# Altium PCB Booster_Main_Board.PcbDoc (part 2 of 11)
Units mil, origin at the board's own origin, x right, y up, seen from the top; angles counter-clockwise.
Board outline 15748.38 x 4626.33 mil, 4 copper layers (Component Side, Signal Layer 1, Power Plane, Solder Side), stack 63.149 mil thick; 999 components, 572 nets, 2902 pads, 1949 vias.
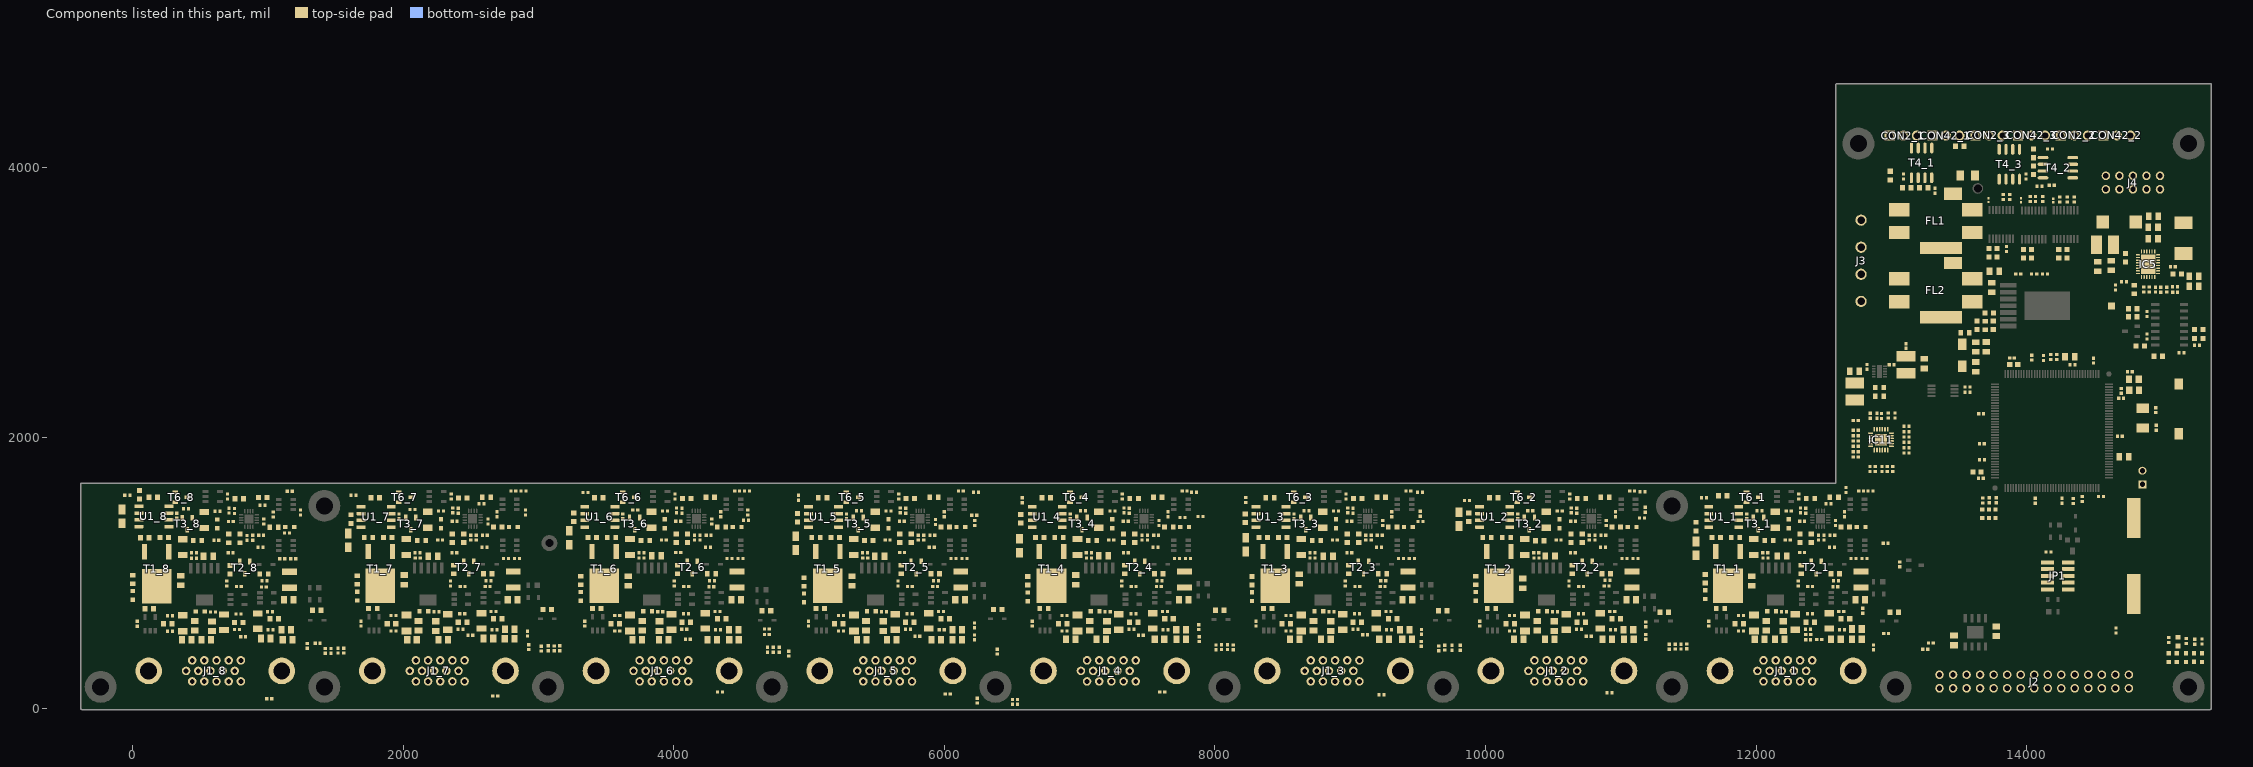
[diagram p4: the components of this part, seen from the top]

## Components (designator, comment, footprint, x,y, rotation, side; value= is the part's Value field where it differs from the comment) (continued)
J1_1 "HD-Sub" TYCO_1932144-1 12224.41,275.59 r0 top locked (schematic designator J1)
J1_2 "HD-Sub" TYCO_1932144-1 10531.5,275.59 r0 top locked (schematic designator J1)
J1_3 "HD-Sub" TYCO_1932144-1 8877.95,275.59 r0 top locked (schematic designator J1)
J1_4 "HD-Sub" TYCO_1932144-1 7224.41,275.59 r0 top locked (schematic designator J1)
J1_5 "HD-Sub" TYCO_1932144-1 5570.87,275.59 r0 top locked (schematic designator J1)
J1_6 "HD-Sub" TYCO_1932144-1 3917.32,275.59 r0 top locked (schematic designator J1)
J1_7 "HD-Sub" TYCO_1932144-1 2263.78,275.59 r0 top locked (schematic designator J1)
J1_8 "HD-Sub" TYCO_1932144-1 610.24,275.59 r0 top locked (schematic designator J1)
J2 "Familly" 3M_N2530-6002RB 14055.12,196.85 r180 top locked
J3 "Family" PHOENIX_1755752 12775.59,3307.09 r270 top
J4 "Header 10" 3M_N2510-6003RB 14785,3885 r180 top
JP1 "PLHTD10S-TR-CV" PLHTD10S-TR-CV 14230,1103 r90 top
JP2 "1798942 (goldpin 2x 2.54)" jump 14855,1655 r180 top
L1 "10uH" IND_MURATA-PS_8400 12730,2341 r90 top
L2 "10uH" IND_MURATA-PS_8400 13108.05,2537.58 r90 top
L3 "6.8uH" INDM6965X300N 15157.48,3474.41 r90 top
L4 "10uH" IND_MURATA-PS_8400 14578.74,3425.2 r180 top
LD1_1 "Green" LED_KINGBRIGHT_KPH-1608CGCK 11623.25,838.77 r90 top (schematic designator LD1)
LD1_2 "Green" LED_KINGBRIGHT_KPH-1608CGCK 9927.02,826.07 r90 top (schematic designator LD1)
LD1_3 "Green" LED_KINGBRIGHT_KPH-1608CGCK 8274,824.7 r90 top (schematic designator LD1)
LD1_4 "Green" LED_KINGBRIGHT_KPH-1608CGCK 6615.93,823.07 r90 top (schematic designator LD1)
LD1_5 "Green" LED_KINGBRIGHT_KPH-1608CGCK 4961.81,814.89 r90 top (schematic designator LD1)
LD1_6 "Green" LED_KINGBRIGHT_KPH-1608CGCK 3312.84,826.07 r90 top (schematic designator LD1)
LD1_7 "Green" LED_KINGBRIGHT_KPH-1608CGCK 1660.3,829.07 r90 top (schematic designator LD1)
LD1_8 "Green" LED_KINGBRIGHT_KPH-1608CGCK 0,833.66 r90 top (schematic designator LD1)
LD2_1 "Green" LED_KINGBRIGHT_KPH-1608CGCK 12114.17,716.14 r0 top (schematic designator LD2)
LD2_2 "Green" LED_KINGBRIGHT_KPH-1608CGCK 10421.26,716.14 r0 top (schematic designator LD2)
LD2_3 "Green" LED_KINGBRIGHT_KPH-1608CGCK 8767.72,716.14 r0 top (schematic designator LD2)
LD2_4 "Green" LED_KINGBRIGHT_KPH-1608CGCK 7114.17,716.14 r0 top (schematic designator LD2)
LD2_5 "Green" LED_KINGBRIGHT_KPH-1608CGCK 5460.63,716.14 r0 top (schematic designator LD2)
LD2_6 "Green" LED_KINGBRIGHT_KPH-1608CGCK 3807.09,716.14 r0 top (schematic designator LD2)
LD2_7 "Green" LED_KINGBRIGHT_KPH-1608CGCK 2153.54,716.14 r0 top (schematic designator LD2)
LD2_8 "Green" LED_KINGBRIGHT_KPH-1608CGCK 500,715 r0 top (schematic designator LD2)
LD3 "Green" LED_KINGBRIGHT_KPH-1608CGCK 15295.28,374.02 r90 top
LD4_1 "Hyper Red" LED_KINGBRIGHT_KPH-1608SURCK 12775.59,1338.58 r180 top (schematic designator LD4)
LD4_2 "Hyper Red" LED_KINGBRIGHT_KPH-1608SURCK 11082.68,1338.58 r180 top (schematic designator LD4)
LD4_3 "Hyper Red" LED_KINGBRIGHT_KPH-1608SURCK 9429.13,1338.58 r180 top (schematic designator LD4)
LD4_4 "Hyper Red" LED_KINGBRIGHT_KPH-1608SURCK 7775.59,1338.58 r180 top (schematic designator LD4)
LD4_5 "Hyper Red" LED_KINGBRIGHT_KPH-1608SURCK 6122.05,1338.58 r180 top (schematic designator LD4)
LD4_6 "Hyper Red" LED_KINGBRIGHT_KPH-1608SURCK 4468.5,1338.58 r180 top (schematic designator LD4)
LD4_7 "Hyper Red" LED_KINGBRIGHT_KPH-1608SURCK 2814.96,1338.58 r180 top (schematic designator LD4)
LD4_8 "Hyper Red" LED_KINGBRIGHT_KPH-1608SURCK 1161.42,1338.58 r180 top (schematic designator LD4)
LD9 "Green" LED_OSRAM_LGL29K 13720.47,1437.01 r90 top
LD10 "Green" LED_OSRAM_LGL29K 13671.26,1437.01 r90 top
LD11 "Green" LED_OSRAM_LGL29K 13769.68,1437.01 r90 top
LD12_1 "Green" LED_KINGBRIGHT_KPH-1608CGCK 12240.17,1363.14 r270 top (schematic designator LD12)
LD12_2 "Green" LED_KINGBRIGHT_KPH-1608CGCK 10547.26,1363.14 r270 top (schematic designator LD12)
LD12_3 "Green" LED_KINGBRIGHT_KPH-1608CGCK 8893.72,1363.14 r270 top (schematic designator LD12)
LD12_4 "Green" LED_KINGBRIGHT_KPH-1608CGCK 7240.17,1363.14 r270 top (schematic designator LD12)
LD12_5 "Green" LED_KINGBRIGHT_KPH-1608CGCK 5586.63,1363.14 r270 top (schematic designator LD12)
LD12_6 "Green" LED_KINGBRIGHT_KPH-1608CGCK 3933.09,1363.14 r270 top (schematic designator LD12)
LD12_7 "Green" LED_KINGBRIGHT_KPH-1608CGCK 2279.54,1363.14 r270 top (schematic designator LD12)
LD12_8 "Green" LED_KINGBRIGHT_KPH-1608CGCK 626,1362 r270 top (schematic designator LD12)
LD16 "Green" LED_KINGBRIGHT_KPH-1608CGCK 15177.17,374.02 r90 top
LD17 "Green" LED_KINGBRIGHT_KPH-1608CGCK 15108.27,374.02 r90 top
LD18 "Green" LED_KINGBRIGHT_KPH-1608CGCK 15049.21,374.02 r270 top
LD19 "Green" LED_OSRAM_LGL29K 15236.22,374.02 r90 top
PB1 "Push Button" PB_TYCO_FSMSM 15125,2212 r270 top
Q1 "8MHz" XTAL_TXC_7A 14857,2144 r90 top
R1 "10k" RESC1005X40N 14160,1154 r180 top
R2 "10k" RESC1005X40N 14338,2538 r180 top
R3 "10k" RESC1005X40N 13670,1837 r180 top
R4 "10k" RESC1005X40N 14409.47,1546.22 r270 top
R5 "49R9" RESC1005X40N 14550,1565 r180 top
R6 "10k" RESC1005X40N 14343,1530 r90 top
R7_1 "56k" RESC1608X55N 11623.25,956.88 r90 top (schematic designator R7)
R7_2 "56k" RESC1608X55N 9927.02,944.18 r90 top (schematic designator R7)
R7_3 "56k" RESC1608X55N 8274,942.81 r90 top (schematic designator R7)
R7_4 "56k" RESC1608X55N 6615.93,941.18 r90 top (schematic designator R7)
R7_5 "56k" RESC1608X55N 4961.81,933 r90 top (schematic designator R7)
R7_6 "56k" RESC1608X55N 3312.84,944.18 r90 top (schematic designator R7)
R7_7 "56k" RESC1608X55N 1660.3,947.18 r90 top (schematic designator R7)
R7_8 "56k" RESC1608X55N 0,951.77 r90 top (schematic designator R7)
R8_1 "16k" RESC1608X55N 11704.17,1261.14 r180 top (schematic designator R8)
R8_2 "16k" RESC1608X55N 10011.26,1261.14 r180 top (schematic designator R8)
R8_3 "16k" RESC1608X55N 8357.72,1261.14 r180 top (schematic designator R8)
R8_4 "16k" RESC1608X55N 6704.17,1261.14 r180 top (schematic designator R8)
R8_5 "16k" RESC1608X55N 5050.63,1261.14 r180 top (schematic designator R8)
R8_6 "16k" RESC1608X55N 3397.09,1261.14 r180 top (schematic designator R8)
R8_7 "16k" RESC1608X55N 1743.54,1261.14 r180 top (schematic designator R8)
R8_8 "16k" RESC1608X55N 90,1260 r180 top (schematic designator R8)
R9_1 "1k5" RESC1608X55N 11753,1571 r180 top (schematic designator R9)
R9_2 "1k5" RESC1608X55N 10060.43,1554.37 r180 top (schematic designator R9)
R9_3 "1k5" RESC1608X55N 8406.89,1554.37 r180 top (schematic designator R9)
R9_4 "1k5" RESC1608X55N 6753.35,1554.37 r180 top (schematic designator R9)
R9_5 "1k5" RESC1608X55N 5099.8,1554.37 r180 top (schematic designator R9)
R9_6 "1k5" RESC1608X55N 3446.26,1554.37 r180 top (schematic designator R9)
R9_7 "1k5" RESC1608X55N 1792.72,1554.37 r180 top (schematic designator R9)
R9_8 "1k5" RESC1608X55N 51.18,1576.77 r270 top (schematic designator R9)
R10_1 "47k" RESC1005X40N 12068.31,1110.47 r0 top (schematic designator R10)
R10_2 "47k" RESC1005X40N 10375.39,1110.47 r0 top (schematic designator R10)
R10_3 "47k" RESC1005X40N 8721.85,1110.47 r0 top (schematic designator R10)
R10_4 "47k" RESC1005X40N 7068.31,1110.47 r0 top (schematic designator R10)
R10_5 "47k" RESC1005X40N 5414.76,1110.47 r0 top (schematic designator R10)
R10_6 "47k" RESC1005X40N 3761.22,1110.47 r0 top (schematic designator R10)
R10_7 "47k" RESC1005X40N 2107.68,1110.47 r0 top (schematic designator R10)
R10_8 "47k" RESC1005X40N 454.13,1109.33 r0 top (schematic designator R10)
R11_1 "10k" RESC1005X40N 12207.09,711.85 r180 top (schematic designator R11)
R11_2 "10k" RESC1005X40N 10514.17,711.85 r180 top (schematic designator R11)
R11_3 "10k" RESC1005X40N 8860.63,711.85 r180 top (schematic designator R11)
R11_4 "10k" RESC1005X40N 7207.09,711.85 r180 top (schematic designator R11)
R11_5 "10k" RESC1005X40N 5553.54,711.85 r180 top (schematic designator R11)
R11_6 "10k" RESC1005X40N 3900,711.85 r180 top (schematic designator R11)
R11_7 "10k" RESC1005X40N 2246.46,711.85 r180 top (schematic designator R11)
R11_8 "10k" RESC1005X40N 592.91,710.71 r180 top (schematic designator R11)
R12_1 "56k" RESC1608X55N 11847.17,1262.14 r180 top (schematic designator R12)
R12_2 "56k" RESC1608X55N 10154.26,1262.14 r180 top (schematic designator R12)
R12_3 "56k" RESC1608X55N 8500.72,1262.14 r180 top (schematic designator R12)
R12_4 "56k" RESC1608X55N 6847.17,1262.14 r180 top (schematic designator R12)
R12_5 "56k" RESC1608X55N 5193.63,1262.14 r180 top (schematic designator R12)
R12_6 "56k" RESC1608X55N 3540.09,1262.14 r180 top (schematic designator R12)
R12_7 "56k" RESC1608X55N 1886.54,1262.14 r180 top (schematic designator R12)
R12_8 "56k" RESC1608X55N 233,1261 r180 top (schematic designator R12)
R13_1 "15k" RESC1005X40N 12067.32,1149.84 r180 top (schematic designator R13)
R13_2 "15k" RESC1005X40N 10374.41,1149.84 r180 top (schematic designator R13)
R13_3 "15k" RESC1005X40N 8720.87,1149.84 r180 top (schematic designator R13)
R13_4 "15k" RESC1005X40N 7067.32,1149.84 r180 top (schematic designator R13)
R13_5 "15k" RESC1005X40N 5413.78,1149.84 r180 top (schematic designator R13)
R13_6 "15k" RESC1005X40N 3760.24,1149.84 r180 top (schematic designator R13)
R13_7 "15k" RESC1005X40N 2106.69,1149.84 r180 top (schematic designator R13)
R13_8 "15k" RESC1005X40N 453.15,1148.7 r180 top (schematic designator R13)
R14 "0" RESC1005X40N 14655.51,3110.24 r270 top
R15 "10k" RESC1005X40N 15094.49,3115.16 r180 top
R16 "1M" RESC1005X40N 14863.86,3093.61 r90 top
R17_1 "56k" RESC1608X55N 12095,1240 r180 top (schematic designator R17)
R17_2 "56k" RESC1608X55N 10400,1238 r180 top (schematic designator R17)
R17_3 "56k" RESC1608X55N 8750,1240 r180 top (schematic designator R17)
R17_4 "56k" RESC1608X55N 7095,1240 r180 top (schematic designator R17)
R17_5 "56k" RESC1608X55N 5440,1240 r180 top (schematic designator R17)
R17_6 "56k" RESC1608X55N 3790,1240 r180 top (schematic designator R17)
R17_7 "56k" RESC1608X55N 2135,1240 r180 top (schematic designator R17)
R17_8 "56k" RESC1608X55N 480,1240 r180 top (schematic designator R17)
R18 "0" RESC1005X40N 14719.86,3151.61 r0 top
R19 "51k" RESC1005X40N 14905.86,3093.61 r90 top
R20 "160k" RESC1005X40N 14989.86,3092.61 r90 top
R21 "10k" RESC1005X40N 15295.28,492.13 r270 top
R22 "10k" RESC1005X40N 14244.09,3759.84 r270 top
R23 "10k" RESC1005X40N 13850.39,3393.7 r90 top
R24 "10k" RESC1005X40N 14025.59,3762.8 r270 top
R25 "10k" RESC1005X40N 14124.02,2588.58 r270 top
R26 "160k" RESC1005X40N 14133.86,3208.66 r0 top
R27 "51k" RESC1005X40N 14055.12,3208.66 r0 top
R28 "2k2" RESC1005X40N 13937.01,3208.66 r180 top
R29_1 "1k5" RESC1608X55N 11555.12,1342.18 r270 top (schematic designator R29)
R29_2 "1k5" RESC1608X55N 9875,1411.42 r270 top (schematic designator R29)
R29_3 "1k5" RESC1608X55N 8224.41,1403.54 r270 top (schematic designator R29)
R29_4 "1k5" RESC1608X55N 6563.98,1400.59 r270 top (schematic designator R29)
R29_5 "1k5" RESC1608X55N 4914.37,1407.48 r270 top (schematic designator R29)
R29_6 "1k5" RESC1608X55N 3259.84,1411.42 r270 top (schematic designator R29)
R29_7 "1k5" RESC1608X55N 1614.17,1397.64 r270 top (schematic designator R29)
R29_8 "1k5" RESC1608X55N 151.57,1558.07 r0 top (schematic designator R29)
R30 "33k" RESC1608X55N 13693.9,2828.54 r270 top
R31 "4k7" RESC1608X55N 13543.31,2775.59 r0 top
R32_1 "10k" RESC1005X40N 12535,1510 r0 top (schematic designator R32)
R32_2 "10k" RESC1005X40N 11155,1405 r180 top (schematic designator R32)
R32_3 "10k" RESC1005X40N 9520,1380 r180 top (schematic designator R32)
R32_4 "10k" RESC1005X40N 7760,1410 r0 top (schematic designator R32)
R32_5 "10k" RESC1005X40N 6225,1370 r270 top (schematic designator R32)
R32_6 "10k" RESC1005X40N 4535,1390 r180 top (schematic designator R32)
R32_7 "10k" RESC1005X40N 2580,1510 r0 top (schematic designator R32)
R32_8 "10k" RESC1005X40N 960,1500 r0 top (schematic designator R32)
R33 "82k" RESC1608X55N 14795,3095 r90 top
R34_1 "10k" RESC1005X40N 12385,545 r0 top (schematic designator R34)
R34_2 "10k" RESC1005X40N 10915,115 r0 top (schematic designator R34)
R34_3 "10k" RESC1005X40N 9230,100 r0 top (schematic designator R34)
R34_4 "10k" RESC1005X40N 7610,120 r0 top (schematic designator R34)
R34_5 "10k" RESC1005X40N 6025,105 r0 top (schematic designator R34)
R34_6 "10k" RESC1005X40N 4340,120 r0 top (schematic designator R34)
R34_7 "10k" RESC1005X40N 2680,90 r0 top (schematic designator R34)
R34_8 "10k" RESC1005X40N 1010,70 r0 top (schematic designator R34)
R35_1 "82" RESC1005X40N 11614.17,1555.12 r180 top (schematic designator R35)
R35_2 "82" RESC1005X40N 9862.2,1535.43 r180 top (schematic designator R35)
R35_3 "82" RESC1005X40N 8228.35,1537.81 r270 top (schematic designator R35)
R35_4 "82" RESC1005X40N 6574.8,1536.81 r270 top (schematic designator R35)
R35_5 "82" RESC1005X40N 4921.26,1555.12 r270 top (schematic designator R35)
R35_6 "82" RESC1005X40N 3346.46,1594.49 r180 top (schematic designator R35)
R35_7 "82" RESC1005X40N 1633.86,1574.8 r180 top (schematic designator R35)
R35_8 "82" RESC1005X40N -39.37,1574.8 r180 top (schematic designator R35)
R36 "10k" RESC1005X40N 13562.91,2374.02 r180 top
R37_1 "0R02" RESC3216X80N 11984.17,630 r90 top (schematic designator R37)
R37_2 "0R02" RESC3216X80N 10291.26,630 r90 top (schematic designator R37)
R37_3 "0R02" RESC3216X80N 8637.72,630 r90 top (schematic designator R37)
R37_4 "0R02" RESC3216X80N 6984.17,630 r90 top (schematic designator R37)
R37_5 "0R02" RESC3216X80N 5330.63,630 r90 top (schematic designator R37)
R37_6 "0R02" RESC3216X80N 3677.09,630 r90 top (schematic designator R37)
R37_7 "0R02" RESC3216X80N 2023.54,630 r90 top (schematic designator R37)
R37_8 "0R02" RESC3216X80N 370,628.86 r90 top (schematic designator R37)
R38_1 "4R7" RESC3216X65N 12539.17,645 r270 top (schematic designator R38)
R38_2 "4R7" RESC3216X65N 10846.26,645 r270 top (schematic designator R38)
R38_3 "4R7" RESC3216X65N 9192.72,645 r270 top (schematic designator R38)
R38_4 "4R7" RESC3216X65N 7539.17,645 r270 top (schematic designator R38)
R38_5 "4R7" RESC3216X65N 5885.63,645 r270 top (schematic designator R38)
R38_6 "4R7" RESC3216X65N 4232.09,645 r270 top (schematic designator R38)
R38_7 "4R7" RESC3216X65N 2578.54,645 r270 top (schematic designator R38)
R38_8 "4R7" RESC3216X65N 925,643.86 r270 top (schematic designator R38)
R39_1 "0R1" RESC3216X65N 12289.76,637.05 r90 top (schematic designator R39)
R39_2 "0R1" RESC3216X65N 10596.85,637.05 r90 top (schematic designator R39)
R39_3 "0R1" RESC3216X65N 8943.31,637.05 r90 top (schematic designator R39)
R39_4 "0R1" RESC3216X65N 7289.76,637.05 r90 top (schematic designator R39)
R39_5 "0R1" RESC3216X65N 5636.22,637.05 r90 top (schematic designator R39)
R39_6 "0R1" RESC3216X65N 3982.68,637.05 r90 top (schematic designator R39)
R39_7 "0R1" RESC3216X65N 2329.13,637.05 r90 top (schematic designator R39)
R39_8 "0R1" RESC3216X65N 675.59,635.91 r90 top (schematic designator R39)
R40_1 "10k" RESC1005X40N 12025,1460 r180 top (schematic designator R40)
R40_2 "10k" RESC1005X40N 10330,1460 r180 top (schematic designator R40)
R40_3 "10k" RESC1005X40N 8675,1460 r180 top (schematic designator R40)
R40_4 "10k" RESC1005X40N 7025,1460 r180 top (schematic designator R40)
R40_5 "10k" RESC1005X40N 5370,1460 r180 top (schematic designator R40)
R40_6 "10k" RESC1005X40N 3715,1465 r180 top (schematic designator R40)
R40_7 "10k" RESC1005X40N 2070,1469 r180 top (schematic designator R40)
R40_8 "10k" RESC1005X40N 395,1475 r180 top (schematic designator R40)
R41 "10k" RESC1005X40N 13562.9,2334.49 r180 top
R42 "49R9" RESC1005X40N 14660,573 r90 top
R43_1 "82" RESC1005X40N 11889.17,570 r0 top (schematic designator R43)
R43_2 "82" RESC1005X40N 10196.26,570 r0 top (schematic designator R43)
R43_3 "82" RESC1005X40N 8542.72,570 r0 top (schematic designator R43)
R43_4 "82" RESC1005X40N 6889.17,570 r0 top (schematic designator R43)
R43_5 "82" RESC1005X40N 5235.63,570 r0 top (schematic designator R43)
R43_6 "82" RESC1005X40N 3582.09,570 r0 top (schematic designator R43)
R43_7 "82" RESC1005X40N 1928.54,570 r0 top (schematic designator R43)
R43_8 "82" RESC1005X40N 275,568.86 r0 top (schematic designator R43)
R44_1 "82" RESC1005X40N 11889.17,685 r0 top (schematic designator R44)
R44_2 "82" RESC1005X40N 10196.26,685 r0 top (schematic designator R44)
R44_3 "82" RESC1005X40N 8542.72,685 r0 top (schematic designator R44)
R44_4 "82" RESC1005X40N 6889.17,685 r0 top (schematic designator R44)
R44_5 "82" RESC1005X40N 5235.63,685 r0 top (schematic designator R44)
R44_6 "82" RESC1005X40N 3582.09,685 r0 top (schematic designator R44)
R44_7 "82" RESC1005X40N 1928.54,685 r0 top (schematic designator R44)
R44_8 "82" RESC1005X40N 275,683.86 r0 top (schematic designator R44)
R45_1 "330" RESC1608X55N 11736.61,736.46 r0 top (schematic designator R45)
R45_2 "330" RESC1608X55N 10043.7,736.46 r0 top (schematic designator R45)
R45_3 "330" RESC1608X55N 8390.16,736.46 r0 top (schematic designator R45)
R45_4 "330" RESC1608X55N 6736.61,736.46 r0 top (schematic designator R45)
R45_5 "330" RESC1608X55N 5083.07,736.46 r0 top (schematic designator R45)
R45_6 "330" RESC1608X55N 3429.53,736.46 r0 top (schematic designator R45)
R45_7 "330" RESC1608X55N 1775.98,736.46 r0 top (schematic designator R45)
R45_8 "330" RESC1608X55N 122.44,735.31 r0 top (schematic designator R45)
R46_1 "82" RESC1005X40N 12629.17,715 r180 top (schematic designator R46)
R46_2 "82" RESC1005X40N 10936.26,715 r180 top (schematic designator R46)
R46_3 "82" RESC1005X40N 9282.72,715 r180 top (schematic designator R46)
R46_4 "82" RESC1005X40N 7629.17,715 r180 top (schematic designator R46)
R46_5 "82" RESC1005X40N 5975.63,715 r180 top (schematic designator R46)
R46_6 "82" RESC1005X40N 4322.09,715 r180 top (schematic designator R46)
R46_7 "82" RESC1005X40N 2668.54,715 r180 top (schematic designator R46)
R46_8 "82" RESC1005X40N 1015,713.86 r180 top (schematic designator R46)
R47_1 "82" RESC1005X40N 12634.17,580 r180 top (schematic designator R47)
R47_2 "82" RESC1005X40N 10941.26,580 r180 top (schematic designator R47)
R47_3 "82" RESC1005X40N 9287.72,580 r180 top (schematic designator R47)
R47_4 "82" RESC1005X40N 7634.17,580 r180 top (schematic designator R47)
R47_5 "82" RESC1005X40N 5980.63,580 r180 top (schematic designator R47)
R47_6 "82" RESC1005X40N 4327.09,580 r180 top (schematic designator R47)
R47_7 "82" RESC1005X40N 2673.54,580 r180 top (schematic designator R47)
R47_8 "82" RESC1005X40N 1020,578.86 r180 top (schematic designator R47)
R48_1 "82" RESC1005X40N 12384.25,582.91 r180 top (schematic designator R48)
R48_2 "82" RESC1005X40N 10691.34,582.91 r180 top (schematic designator R48)
R48_3 "82" RESC1005X40N 9037.8,582.91 r180 top (schematic designator R48)
R48_4 "82" RESC1005X40N 7384.25,582.91 r180 top (schematic designator R48)
R48_5 "82" RESC1005X40N 5730.71,582.91 r180 top (schematic designator R48)
R48_6 "82" RESC1005X40N 4077.17,582.91 r180 top (schematic designator R48)
R48_7 "82" RESC1005X40N 2423.62,582.91 r180 top (schematic designator R48)
R48_8 "82" RESC1005X40N 770.08,581.77 r180 top (schematic designator R48)
R49_1 "82" RESC1005X40N 12397.17,697.14 r180 top (schematic designator R49)
R49_2 "82" RESC1005X40N 10704.26,697.14 r180 top (schematic designator R49)
R49_3 "82" RESC1005X40N 9050.72,697.14 r180 top (schematic designator R49)
R49_4 "82" RESC1005X40N 7397.17,697.14 r180 top (schematic designator R49)
R49_5 "82" RESC1005X40N 5743.63,697.14 r180 top (schematic designator R49)
R49_6 "82" RESC1005X40N 4090.09,697.14 r180 top (schematic designator R49)
R49_7 "82" RESC1005X40N 2436.54,697.14 r180 top (schematic designator R49)
R49_8 "82" RESC1005X40N 783,696 r180 top (schematic designator R49)
R50_1 "10k" RESC1005X40N 12590.17,942.14 r180 top (schematic designator R50)
R50_2 "10k" RESC1005X40N 10900,945 r180 top (schematic designator R50)
R50_3 "10k" RESC1005X40N 9243.72,942.14 r180 top (schematic designator R50)
R50_4 "10k" RESC1005X40N 7590.17,942.14 r180 top (schematic designator R50)
R50_5 "10k" RESC1005X40N 5936.63,942.14 r180 top (schematic designator R50)
R50_6 "10k" RESC1005X40N 4283.09,942.14 r180 top (schematic designator R50)
R50_7 "10k" RESC1005X40N 2629.54,942.14 r180 top (schematic designator R50)
R50_8 "10k" RESC1005X40N 976,941 r180 top (schematic designator R50)
R51_1 "10k" RESC1005X40N 12310.17,922.14 r90 top (schematic designator R51)
R51_2 "10k" RESC1005X40N 10617.26,922.14 r90 top (schematic designator R51)
R51_3 "10k" RESC1005X40N 8963.72,922.14 r90 top (schematic designator R51)
R51_4 "10k" RESC1005X40N 7310.17,922.14 r90 top (schematic designator R51)
R51_5 "10k" RESC1005X40N 5656.63,922.14 r90 top (schematic designator R51)
R51_6 "10k" RESC1005X40N 4003.09,922.14 r90 top (schematic designator R51)
R51_7 "10k" RESC1005X40N 2349.54,922.14 r90 top (schematic designator R51)
R51_8 "10k" RESC1005X40N 696,921 r90 top (schematic designator R51)
R52_1 "10k" RESC1005X40N 12845,1605 r0 top (schematic designator R52)
R52_2 "10k" RESC1005X40N 11160,1600 r0 top (schematic designator R52)
R52_3 "10k" RESC1005X40N 9515,1595 r0 top (schematic designator R52)
R52_4 "10k" RESC1005X40N 7845,1595 r0 top (schematic designator R52)
R52_5 "10k" RESC1005X40N 6235,1595 r0 top (schematic designator R52)
R52_6 "10k" RESC1005X40N 4540,1605 r0 top (schematic designator R52)
R52_7 "10k" RESC1005X40N 2890,1605 r0 top (schematic designator R52)
R52_8 "10k" RESC1005X40N 1140,1295 r0 top (schematic designator R52)
R53_1 "330" RESC1608X55N 12324.17,1256.14 r90 top (schematic designator R53)
R53_2 "330" RESC1608X55N 10631.26,1256.14 r90 top (schematic designator R53)
R53_3 "330" RESC1608X55N 8977.72,1256.14 r90 top (schematic designator R53)
R53_4 "330" RESC1608X55N 7324.17,1256.14 r90 top (schematic designator R53)
R53_5 "330" RESC1608X55N 5670.63,1256.14 r90 top (schematic designator R53)
R53_6 "330" RESC1608X55N 4017.09,1256.14 r90 top (schematic designator R53)
R53_7 "330" RESC1608X55N 2363.54,1256.14 r90 top (schematic designator R53)
R53_8 "330" RESC1608X55N 710,1255 r90 top (schematic designator R53)
R54_1 "330" RESC1608X55N 12576.17,1558.14 r180 top (schematic designator R54)
R54_2 "330" RESC1608X55N 10883.26,1558.14 r180 top (schematic designator R54)
R54_3 "330" RESC1608X55N 9229.72,1558.14 r180 top (schematic designator R54)
R54_4 "330" RESC1608X55N 7576.17,1558.14 r180 top (schematic designator R54)
R54_5 "330" RESC1608X55N 5922.63,1558.14 r180 top (schematic designator R54)
R54_6 "330" RESC1608X55N 4269.09,1558.14 r180 top (schematic designator R54)
R54_7 "330" RESC1608X55N 2615.54,1558.14 r180 top (schematic designator R54)
R54_8 "330" RESC1608X55N 962,1557 r180 top (schematic designator R54)
R55_1 "330" RESC1608X55N 12334.17,1025 r90 top (schematic designator R55)
R55_2 "330" RESC1608X55N 10641.26,1025 r90 top (schematic designator R55)
R55_3 "330" RESC1608X55N 8987.72,1025 r90 top (schematic designator R55)
R55_4 "330" RESC1608X55N 7334.17,1025 r90 top (schematic designator R55)
R55_5 "330" RESC1608X55N 5680.63,1025 r90 top (schematic designator R55)
R55_6 "330" RESC1608X55N 4027.09,1025 r90 top (schematic designator R55)
R55_7 "330" RESC1608X55N 2373.54,1025 r90 top (schematic designator R55)
R55_8 "330" RESC1608X55N 720,1023.86 r90 top (schematic designator R55)
R56_1 "330" RESC1608X55N 12408.17,1256.14 r270 top (schematic designator R56)
R56_2 "330" RESC1608X55N 10715.26,1256.14 r270 top (schematic designator R56)
R56_3 "330" RESC1608X55N 9061.72,1256.14 r270 top (schematic designator R56)
R56_4 "330" RESC1608X55N 7408.17,1256.14 r270 top (schematic designator R56)
R56_5 "330" RESC1608X55N 5754.63,1256.14 r270 top (schematic designator R56)
R56_6 "330" RESC1608X55N 4101.09,1256.14 r270 top (schematic designator R56)
R56_7 "330" RESC1608X55N 2447.54,1256.14 r270 top (schematic designator R56)
R56_8 "330" RESC1608X55N 794,1255 r270 top (schematic designator R56)
R57_1 "10k" RESC1005X40N 12586,1370 r270 top (schematic designator R57)
R57_2 "10k" RESC1005X40N 10893,1370 r270 top (schematic designator R57)
R57_3 "10k" RESC1005X40N 9240,1370 r270 top (schematic designator R57)
R57_4 "10k" RESC1005X40N 7586,1370 r270 top (schematic designator R57)
R57_5 "10k" RESC1005X40N 5934,1377 r270 top (schematic designator R57)
R57_6 "10k" RESC1005X40N 4280,1379 r270 top (schematic designator R57)
R57_7 "10k" RESC1005X40N 2626,1379 r270 top (schematic designator R57)
R57_8 "10k" RESC1005X40N 969,1379 r270 top (schematic designator R57)
R58_1 "15k" RESC1005X40N 12560.17,1190.14 r180 top (schematic designator R58)
R58_2 "15k" RESC1005X40N 10867.26,1190.14 r180 top (schematic designator R58)
R58_3 "15k" RESC1005X40N 9213.72,1190.14 r180 top (schematic designator R58)
R58_4 "15k" RESC1005X40N 7560.17,1190.14 r180 top (schematic designator R58)
R58_5 "15k" RESC1005X40N 5906.63,1190.14 r180 top (schematic designator R58)
R58_6 "15k" RESC1005X40N 4253.09,1190.14 r180 top (schematic designator R58)
R58_7 "15k" RESC1005X40N 2599.54,1190.14 r180 top (schematic designator R58)
R58_8 "15k" RESC1005X40N 946,1189 r180 top (schematic designator R58)
R59_1 "10k" RESC1005X40N 12367.17,1459.14 r90 top (schematic designator R59)
R59_2 "10k" RESC1005X40N 10674.26,1459.14 r90 top (schematic designator R59)
R59_3 "10k" RESC1005X40N 9020.72,1459.14 r90 top (schematic designator R59)
R59_4 "10k" RESC1005X40N 7367.17,1459.14 r90 top (schematic designator R59)
R59_5 "10k" RESC1005X40N 5713.63,1459.14 r90 top (schematic designator R59)
R59_6 "10k" RESC1005X40N 4060.09,1459.14 r90 top (schematic designator R59)
R59_7 "10k" RESC1005X40N 2406.54,1459.14 r90 top (schematic designator R59)
R59_8 "10k" RESC1005X40N 753,1458 r90 top (schematic designator R59)
R60 "2k2" RESC1005X40N 12977,2162 r270 top
R61 "2k2" RESC1005X40N 12735.87,2053.25 r180 top
R62 "2k2" RESC1005X40N 13026,2162 r270 top
R63 "2k2" RESC1005X40N 12735.87,2013.88 r180 top
R64 "2k2" RESC1005X40N 12735.87,1974.51 r180 top
R65 "2k2" RESC1005X40N 12735.87,1935.14 r180 top
R66 "0" RESC1005X40N 13109.88,2082.78 r180 top
R67 "0" RESC1005X40N 12893.35,2161.52 r270 top
R68 "2k2" RESC1005X40N 12735.87,1895.77 r180 top
R69 "0" RESC1005X40N 12926,2161 r270 top
R70 "2k2" RESC1005X40N 12735.87,1856.4 r180 top
R71 "2k2" RESC1005X40N 12841.82,1767.5 r270 top
R72 "2k2" RESC1005X40N 12881.19,1767.5 r270 top
R73 "2k2" RESC1005X40N 12930.4,1767.5 r270 top
R74 "2k2" RESC1005X40N 12969.77,1767.5 r270 top
R75 "2k2" RESC1005X40N 13009.14,1767.5 r270 top
R76 "2k2" RESC1005X40N 13109.88,1885.93 r0 top
R77 "2k2" RESC1005X40N 13109.88,1925.3 r0 top
R78 "2k2" RESC1005X40N 13109.88,1964.67 r0 top
R79 "2k2" RESC1005X40N 13109.88,2004.04 r0 top
R80 "2k2" RESC1005X40N 13109.88,2043.41 r0 top
R81 "270k" RESC1608X55N 12911.2,2370.26 r0 top
R82 "82k" RESC1608X55N 12911,2305 r180 top
R83 "0" RESC1005X40N 12788,720 r270 top
R84_1 "330" RESC1608X55N 12585.17,993.14 r0 top (schematic designator R84)
R84_2 "330" RESC1608X55N 10892.26,993.14 r0 top (schematic designator R84)
R84_3 "330" RESC1608X55N 9238.72,993.14 r0 top (schematic designator R84)
R84_4 "330" RESC1608X55N 7585.17,993.14 r0 top (schematic designator R84)
R84_5 "330" RESC1608X55N 5931.63,993.14 r0 top (schematic designator R84)
R84_6 "330" RESC1608X55N 4278.09,993.14 r0 top (schematic designator R84)
R84_7 "330" RESC1608X55N 2624.54,993.14 r0 top (schematic designator R84)
R84_8 "330" RESC1608X55N 971,992 r0 top (schematic designator R84)
R85_1 "10k" RESC1005X40N 12801.17,1106.14 r180 top (schematic designator R85)
R85_2 "10k" RESC1005X40N 11108.26,1106.14 r180 top (schematic designator R85)
R85_3 "10k" RESC1005X40N 9454.72,1106.14 r180 top (schematic designator R85)
R85_4 "10k" RESC1005X40N 7801.17,1106.14 r180 top (schematic designator R85)
R85_5 "10k" RESC1005X40N 6147.63,1106.14 r180 top (schematic designator R85)
R85_6 "10k" RESC1005X40N 4494.09,1106.14 r180 top (schematic designator R85)
R85_7 "10k" RESC1005X40N 2840.54,1106.14 r180 top (schematic designator R85)
R85_8 "10k" RESC1005X40N 1187,1105 r180 top (schematic designator R85)
R86_1 "10k" RESC1005X40N 12315.38,1564.81 r90 top (schematic designator R86)
R86_2 "10k" RESC1005X40N 10622.47,1564.81 r90 top (schematic designator R86)
R86_3 "10k" RESC1005X40N 8968.93,1564.81 r90 top (schematic designator R86)
R86_4 "10k" RESC1005X40N 7315.38,1564.81 r90 top (schematic designator R86)
R86_5 "10k" RESC1005X40N 5661.84,1564.81 r90 top (schematic designator R86)
R86_6 "10k" RESC1005X40N 4008.3,1564.81 r90 top (schematic designator R86)
R86_7 "10k" RESC1005X40N 2354.75,1564.81 r90 top (schematic designator R86)
R86_8 "10k" RESC1005X40N 701.21,1563.67 r90 top (schematic designator R86)
R87_1 "33k" RESC1608X55N 12402.17,1550.14 r180 top (schematic designator R87)
R87_2 "33k" RESC1608X55N 10709.26,1550.14 r180 top (schematic designator R87)
R87_3 "33k" RESC1608X55N 9055.72,1550.14 r180 top (schematic designator R87)
R87_4 "33k" RESC1608X55N 7402.17,1550.14 r180 top (schematic designator R87)
R87_5 "33k" RESC1608X55N 5748.63,1550.14 r180 top (schematic designator R87)
R87_6 "33k" RESC1608X55N 4095.09,1550.14 r180 top (schematic designator R87)
R87_7 "33k" RESC1608X55N 2440,1554 r180 top (schematic designator R87)
R87_8 "33k" RESC1608X55N 788,1549 r180 top (schematic designator R87)
R88_1 "10k" RESC1005X40N 12720.17,1106.14 r0 top (schematic designator R88)
R88_2 "10k" RESC1005X40N 11027.26,1106.14 r0 top (schematic designator R88)
R88_3 "10k" RESC1005X40N 9373.72,1106.14 r0 top (schematic designator R88)
R88_4 "10k" RESC1005X40N 7720.17,1106.14 r0 top (schematic designator R88)
R88_5 "10k" RESC1005X40N 6066.63,1106.14 r0 top (schematic designator R88)
R88_6 "10k" RESC1005X40N 4413.09,1106.14 r0 top (schematic designator R88)
R88_7 "10k" RESC1005X40N 2759.54,1106.14 r0 top (schematic designator R88)
R88_8 "10k" RESC1005X40N 1106,1105 r0 top (schematic designator R88)
R89_1 "10k" RESC1005X40N 12664.17,1612.14 r90 top (schematic designator R89)
R89_2 "10k" RESC1005X40N 11181.1,1466.54 r90 top (schematic designator R89)
R89_3 "10k" RESC1005X40N 9517.72,1437.01 r90 top (schematic designator R89)
R89_4 "10k" RESC1005X40N 7893.7,1417.32 r0 top (schematic designator R89)
R89_5 "10k" RESC1005X40N 6220.47,1427.17 r0 top (schematic designator R89)
R89_6 "10k" RESC1005X40N 4547.24,1446.85 r90 top (schematic designator R89)
R89_7 "10k" RESC1005X40N 2903.54,1446.85 r90 top (schematic designator R89)
R89_8 "10k" RESC1005X40N 1240.16,1446.85 r90 top (schematic designator R89)
R90_1 "82" RESC1005X40N 12653.17,1433.14 r90 top (schematic designator R90)
R90_2 "82" RESC1005X40N 10960.26,1433.14 r90 top (schematic designator R90)
R90_3 "82" RESC1005X40N 9306.72,1433.14 r90 top (schematic designator R90)
R90_4 "82" RESC1005X40N 7653.17,1433.14 r90 top (schematic designator R90)
R90_5 "82" RESC1005X40N 5999.63,1433.14 r90 top (schematic designator R90)
R90_6 "82" RESC1005X40N 4346.09,1433.14 r90 top (schematic designator R90)
R90_7 "82" RESC1005X40N 2692.54,1433.14 r90 top (schematic designator R90)
R90_8 "82" RESC1005X40N 1039,1432 r90 top (schematic designator R90)
R91 "56k" RESC1608X55N 15271.42,2798.8 r0 top
R92 "10k" RESC1005X40N 14888.78,2913.39 r90 top
R93 "10k" RESC1005X40N 15144.42,2626.8 r0 top
R94 "18k" RESC1608X55N 14783.46,2952.76 r180 top
R95 "13k" RESC1608X55N 14783.46,2893.7 r180 top
R96 "20k" RESC1608X55N 14971.46,2601.38 r0 top
R97 "1k" RESC1608X55N 14839.57,2677.17 r0 top
R98 "7k5" RESC1608X55N 15270.42,2732.8 r0 top
R99 "2k2" RESC1005X40N 15258.42,2681.8 r180 top
R100 "2k2" RESC1005X40N 14888.78,2746.06 r90 top
R101 "2k2" RESC1005X40N 13723,1537 r270 top
R102 "2k2" RESC1005X40N 13674,1534 r270 top
R103 "2k2" RESC1005X40N 13775,1537 r270 top
R104_1 "10k" RESC1005X40N 12241.17,1457.14 r0 top (schematic designator R104)
R104_2 "10k" RESC1005X40N 10548.26,1457.14 r0 top (schematic designator R104)
R104_3 "10k" RESC1005X40N 8894.72,1457.14 r0 top (schematic designator R104)
R104_4 "10k" RESC1005X40N 7241.17,1457.14 r0 top (schematic designator R104)
R104_5 "10k" RESC1005X40N 5587.63,1457.14 r0 top (schematic designator R104)
R104_6 "10k" RESC1005X40N 3934.09,1457.14 r0 top (schematic designator R104)
R104_7 "10k" RESC1005X40N 2280.54,1457.14 r0 top (schematic designator R104)
R104_8 "10k" RESC1005X40N 627,1456 r0 top (schematic designator R104)
R105 "10k" RESC1005X40N 12736.22,2125.98 r180 top
R107_1 "330" RESC1608X55N 12659.37,1338.94 r180 top (schematic designator R107)
R107_2 "330" RESC1608X55N 10966.46,1338.94 r180 top (schematic designator R107)
R107_3 "330" RESC1608X55N 9312.91,1338.94 r180 top (schematic designator R107)
R107_4 "330" RESC1608X55N 7659.37,1338.94 r180 top (schematic designator R107)
R107_5 "330" RESC1608X55N 6005.83,1338.94 r180 top (schematic designator R107)
R107_6 "330" RESC1608X55N 4352.28,1338.94 r180 top (schematic designator R107)
R107_7 "330" RESC1608X55N 2698.74,1338.94 r180 top (schematic designator R107)
R107_8 "330" RESC1608X55N 1045.2,1337.8 r180 top (schematic designator R107)
R108 "10k" RESC1005X40N 15050.4,505.18 r270 top
R109 "10k" RESC1005X40N 15178.35,495.34 r270 top
R110 "56k" RESC1608X55N 15118.11,492.13 r90 top
R111 "10k" RESC1005X40N 15242.05,491.21 r90 top
R112 "10k" RESC1005X40N 14221,2595 r90 top
R113 "10k" RESC1005X40N 14177,2595 r90 top
R147_1 "10k" RESC1005X40N 13874.02,3778.35 r90 top (schematic designator R147)
R147_2 "10k" RESC1005X40N 14351.38,3759.84 r90 top (schematic designator R147)
R147_3 "10k" RESC1005X40N 14118.11,3763.78 r90 top (schematic designator R147)
R148_1 "10k" RESC1005X40N 13826.77,3778.35 r90 top (schematic designator R148)
R148_2 "10k" RESC1005X40N 14299.21,3759.84 r90 top (schematic designator R148)
R148_3 "10k" RESC1005X40N 14063.98,3762.8 r90 top (schematic designator R148)
R149_1 "10k" RESC1005X40N 13088.58,3931.1 r270 top (schematic designator R149)
R149_2 "10k" RESC1005X40N 14171.26,4132.87 r180 top (schematic designator R149)
R149_3 "10k" RESC1005X40N 14094.49,3858.27 r0 top (schematic designator R149)
R150_1 "10k" RESC1005X40N 13321.85,3824.8 r270 top (schematic designator R150)
R150_2 "10k" RESC1005X40N 14185,3865 r0 top (schematic designator R150)
R150_3 "10k" RESC1005X40N 13994.09,3929.13 r90 top (schematic designator R150)
T1_1 "MJD2955G" TO228P991X239-3N-R552X520 11791.73,994.33 r270 top (schematic designator T1)
T1_2 "MJD2955G" TO228P991X239-3N-R552X520 10098.82,994.33 r270 top (schematic designator T1)
T1_3 "MJD2955G" TO228P991X239-3N-R552X520 8445.28,994.33 r270 top (schematic designator T1)
T1_4 "MJD2955G" TO228P991X239-3N-R552X520 6791.73,994.33 r270 top (schematic designator T1)
T1_5 "MJD2955G" TO228P991X239-3N-R552X520 5138.19,994.33 r270 top (schematic designator T1)
T1_6 "MJD2955G" TO228P991X239-3N-R552X520 3484.65,994.33 r270 top (schematic designator T1)
T1_7 "MJD2955G" TO228P991X239-3N-R552X520 1831.1,994.33 r270 top (schematic designator T1)
T1_8 "MJD2955G" TO228P991X239-3N-R552X520 177.56,993.19 r270 top (schematic designator T1)
T2_1 "BSS138LT1G" SOT95P240X110-3N 12444.17,1040 r270 top (schematic designator T2)
T2_2 "BSS138LT1G" SOT95P240X110-3N 10751.26,1040 r270 top (schematic designator T2)
T2_3 "BSS138LT1G" SOT95P240X110-3N 9097.72,1040 r270 top (schematic designator T2)
T2_4 "BSS138LT1G" SOT95P240X110-3N 7444.17,1040 r270 top (schematic designator T2)
T2_5 "BSS138LT1G" SOT95P240X110-3N 5790.63,1040 r270 top (schematic designator T2)
T2_6 "BSS138LT1G" SOT95P240X110-3N 4137.09,1040 r270 top (schematic designator T2)
T2_7 "BSS138LT1G" SOT95P240X110-3N 2483.54,1040 r270 top (schematic designator T2)
T2_8 "BSS138LT1G" SOT95P240X110-3N 830,1038.86 r270 top (schematic designator T2)
T3_1 "BSS138LT1G" SOT95P240X110-3N 12017.17,1364.14 r270 top (schematic designator T3)
T3_2 "BSS138LT1G" SOT95P240X110-3N 10324.26,1364.14 r270 top (schematic designator T3)
T3_3 "BSS138LT1G" SOT95P240X110-3N 8670.72,1364.14 r270 top (schematic designator T3)
T3_4 "BSS138LT1G" SOT95P240X110-3N 7017.17,1364.14 r270 top (schematic designator T3)
T3_5 "BSS138LT1G" SOT95P240X110-3N 5363.63,1364.14 r270 top (schematic designator T3)
T3_6 "BSS138LT1G" SOT95P240X110-3N 3710.09,1364.14 r270 top (schematic designator T3)
T3_7 "BSS138LT1G" SOT95P240X110-3N 2056.54,1364.14 r270 top (schematic designator T3)
T3_8 "BSS138LT1G" SOT95P240X110-3N 403,1363 r270 top (schematic designator T3)
T4_1 "IRF7304PBF" so-8 13147.64,3920.28 r90 top (schematic designator T4)
T4_2 "IRF7304PBF" so-8 14120,4070 r0 top (schematic designator T4)
T4_3 "IRF7304PBF" so-8 13796.26,3910.43 r90 top (schematic designator T4)
T6_1 "BSS138LT1G" SOT95P240X110-3N 11973.82,1559.29 r0 top (schematic designator T6)
T6_2 "BSS138LT1G" SOT95P240X110-3N 10280.91,1559.29 r0 top (schematic designator T6)
T6_3 "BSS138LT1G" SOT95P240X110-3N 8627.36,1559.29 r0 top (schematic designator T6)
T6_4 "BSS138LT1G" SOT95P240X110-3N 6973.82,1559.29 r0 top (schematic designator T6)
T6_5 "BSS138LT1G" SOT95P240X110-3N 5320.28,1559.29 r0 top (schematic designator T6)
T6_6 "BSS138LT1G" SOT95P240X110-3N 3666.73,1559.29 r0 top (schematic designator T6)
T6_7 "BSS138LT1G" SOT95P240X110-3N 2013.19,1559.29 r0 top (schematic designator T6)
T6_8 "BSS138LT1G" SOT95P240X110-3N 359.65,1558.15 r0 top (schematic designator T6)
TP1 "Test Point" TPS127 14625.98,2972.44 r0 top
U1_1 "UC3836D" D0008A_M 11760.24,1413.62 r180 top (schematic designator U1)
U1_2 "UC3836D" D0008A_M 10067.32,1413.62 r180 top (schematic designator U1)
U1_3 "UC3836D" D0008A_M 8413.78,1413.62 r180 top (schematic designator U1)
U1_4 "UC3836D" D0008A_M 6760.24,1413.62 r180 top (schematic designator U1)
U1_5 "UC3836D" D0008A_M 5106.69,1413.62 r180 top (schematic designator U1)
U1_6 "UC3836D" D0008A_M 3453.15,1413.62 r180 top (schematic designator U1)
U1_7 "UC3836D" D0008A_M 1799.61,1413.62 r180 top (schematic designator U1)
U1_8 "UC3836D" D0008A_M 157.48,1417.32 r180 top (schematic designator U1)

## Footprints (in the part's own frame and the unit in brackets; to place one, negate y for a bottom-side part, rotate by r counter-clockwise, add the part's x,y. Pads: shape width x height; smd on the part's side, far side on the other; paste and mask are expansions set on the pad)
3M_N2510-6003RB [mm] "10 Contacts - Straight .100\" x .100\" Low Profile Four-Wall Header (Solder Tail 3.94mm)"
  round 1.6 hole 1: 1(-5.08,-1.27) 2(-5.08,1.27) 3(-2.54,-1.27) 4(-2.54,1.27) 5(0,-1.27) 6(0,1.27) 7(2.54,-1.27) 8(2.54,1.27) 9(5.08,-1.27) 10(5.08,1.27)
  silkscreen extent -10.01,-4.85 10.01,4.52, body extent -10.01,-4.11 10.01,4.52, height 9.91
3M_N2530-6002RB [mm] "30 Contacts - Straight .100\" x .100\" Low Profile Four-Wall Header"
  round 1.6 hole 1: 1(-17.78,-1.27) 2(-17.78,1.27) 3(-15.24,-1.27) 4(-15.24,1.27) 5(-12.7,-1.27) 6(-12.7,1.27) 7(-10.16,-1.27) 8(-10.16,1.27) 9(-7.62,-1.27) 10(-7.62,1.27) 11(-5.08,-1.27) 12(-5.08,1.27) 13(-2.54,-1.27) 14(-2.54,1.27) 15(0,-1.27) 16(0,1.27) 17(2.54,-1.27) 18(2.54,1.27) 19(5.08,-1.27) 20(5.08,1.27) 21(7.62,-1.27) 22(7.62,1.27) 23(10.16,-1.27) 24(10.16,1.27) 25(12.7,-1.27) 26(12.7,1.27) 27(15.24,-1.27) 28(15.24,1.27) 29(17.78,-1.27) 30(17.78,1.27)
  silkscreen extent -22.71,-4.85 22.71,4.52, body extent -22.71,-4.11 22.71,4.52, height 9.91
CAPAE1900X1680N [mm] "Capacitor,Aluminum Electrolytic; 19.00mm L X 19.00mm W X 16.80mm H , IPC Medium Density"
  rect 7.5x2.5 smd: 1(-7.1,0) 2(7.1,0)
  silkscreen extent -10.72,-9.5 9.5,9.5, body extent -10.5,-9.6 10.5,9.6, height 16.8
CAPC0603X33N [mm] "Chip Capacitor, Body 0.6x0.30mm, IPC Medium Density"
  rect 0.45x0.4 smd: 1(-0.35,0) 2(0.35,0)
  body extent -0.31,-0.16 0.32,0.17, height 0.33
CAPC1005X55N [mm] "Chip Capacitor, Body 1.0x0.55mm, IPC Medium Density"
  rect 0.62x0.62 smd: 1(-0.45,0) 2(0.45,0)
  body extent -0.52,-0.27 0.53,0.28, height 0.55
CAPC1608X87N [mm] "Chip Capacitor, Body 1.6x0.8mm IPC Medium Density"
  rect 0.95x1 smd: 1(-0.8,0) 2(0.8,0)
  body extent -0.87,-0.47 0.88,0.48, height 0.87
CAPC1608X90N [mm] "Chip Capacitor, Body 1.6x0.8mm IPC Medium Density"
  rect 0.95x0.95 smd: 1(-0.75,0) 2(0.75,0)
  body extent -0.85,-0.45 0.85,0.45, height 0.9
CAPC2012X110N [mm] "Chip Capacitor, Body 2.0x1.25mm, IPC Medium Density"
  rect 1.15x1.45 smd: 1(-0.9,0) 2(0.9,0)
  silkscreen extent 0,-0.58 0,0.58, body extent -1.05,-0.67 1.05,0.68, height 1.1
CAPC2012X135N [mm] "Chip Capacitor, Body 2.0x1.25mm, IPC Medium Density"
  rect 1.05x1.4 smd: 1(-0.9,0) 2(0.9,0)
  silkscreen extent 0,-0.58 0,0.58, body extent -1.05,-0.67 1.05,0.68, height 1.25
CAPC2012X140N [mm] "Chip Capacitor, Body 2.0x1.25mm, IPC Medium Density"
  rect 1.15x1.45 smd: 1(-0.9,0) 2(0.9,0)
  silkscreen extent 0,-0.58 0,0.58, body extent -1.05,-0.67 1.05,0.68, height 1.3
CAPC3216X140N [mm] "Chip Capacitor, Body 3.2x1.6mm, IPC Medium Density"
  rect 1.15x1.8 smd: 1(-1.5,0) 2(1.5,0)
  silkscreen extent -0.5,-0.9 0.5,0.9, body extent -1.7,-0.9 1.7,0.9, height 1.4
CAPC3216X180N [mm] "Chip Capacitor, Body 3.2x1.6mm, IPC Medium Density"
  rect 1.15x1.8 smd: 1(-1.5,0) 2(1.5,0)
  silkscreen extent -0.55,-0.8 0.55,0.8, body extent -1.7,-0.9 1.7,0.9, height 1.8
CAPC3216X190N [mm] "Chip Capacitor, Body 3.2x1.6mm, IPC Medium Density"
  rect 1.45x1.9 smd: 1(-1.4,0) 2(1.4,0)
  silkscreen extent -0.3,-0.95 0.3,0.95, body extent -1.75,-0.95 1.75,0.95, height 1.9
CAPMP3216X180N [mm] "Capacitor, Polarized, Molded  Body 3.2x1.6mm, IPC Medium Density"
  rect 1.8x1.25 smd: 1(-1.3,0) 2(1.3,0)
  silkscreen extent -2.4,-0.7 0,1.25, body extent -1.7,-0.9 1.7,0.9, height 1.6
CAPMP7343X310N [mm] "Capacitor, Polarized, Molded  Body 7.3x4.3mm, IPC Medium Density"
  rect 2.35x2.45 smd: 1(-3.1,0) 2(3.1,0)
  silkscreen extent -4.43,-2.3 3.8,2.3, body extent -3.8,-2.3 3.8,2.3, height 3.1
D0008A_M [mm] "SOIC, 8-Leads, Body 5x4mm, Pitch 1.27mm, IPC Low Density"
  rrect15% 1.65x0.65 smd: 1(-2.825,1.905) 2(-2.825,0.635) 3(-2.825,-0.635) 4(-2.825,-1.905) 5(2.825,-1.905) 6(2.825,-0.635) 7(2.825,0.635) 8(2.825,1.905)
  silkscreen extent -2.95,-2.5 1.6,2.9, body extent -3,-2.45 3,2.45, height 1.63
DIOM5127X229N [mm] "DO-214-AC/SMA Molded Diode, 2-Leads, Body 5.1x2.7mm, IPC Medium Density"
  rect 2.2x1.55 smd: 1(-2.05,0) 2(2.05,0)
  silkscreen extent -3.42,-1.4 2.65,1.45, body extent -2.67,-1.45 2.68,1.45, height 2.29
FIL_MURATA_BNX02 [mm] "Block Type EMIFIL LC Combined Type, BNX02* Series"
  rect 3.8x2.5 smd: 1(-6.85,2.1) 2(6.85,2.1) 3(-6.85,-2.2) 4(6.85,-2.2)
  rect 7.9x2.3 smd: 4(1,-5.1)
  rect 3.4x2.3 smd: 4(3.25,5.1)
  silkscreen extent -5.95,-4.45 7.77,5.05, body extent -6.05,-4.55 6.05,4.55, height 3.1
FUSRC3226X85N [mm] "Chip Resettable Fuse, 2-Leads, Body 3.2mm x 2.6mm, IPC Medium Density"
  rect 1.2x2.8 smd: 1(-1.5,0) 2(1.5,0)
  silkscreen extent -0.55,-1.3 0.55,1.3, body extent -1.7,-1.4 1.7,1.4, height 0.85
IND_MURATA-PS_8400 [mm] "Miniature Surface Mount Power Inductors, 4.5mm L X 3.3mm W X 2.9mm H, MURATA 8400 Serie"
  rect 2x3.5 smd: 1(-1.6,0) 2(1.6,0)
  silkscreen extent -0.3,-1.8 0.3,1.8, body extent -2.4,-1.8 2.4,1.8, height 2.9
INDC2012X105N [mm] "Chip Inductor, EIA 0805, Metric 2012, Body 2.0x1.25mm, IPC Medium Density"
  rect 1.15x1.45 smd: 1(-0.9,0) 2(0.9,0)
  silkscreen extent 0,-0.6 0,0.6, body extent -1.1,-0.7 1.1,0.7, height 1.1
INDM6965X300N [mm] "Inductor Molded Body, Body 6.86mm L X 6.47mm W X 3mm H, IPC Medium Density"
  rect 2.4x3.4 smd: 1(-2.9,0) 2(2.9,0)
  silkscreen extent -3.4,-3.25 3.4,3.25, body extent -3.62,-3.36 3.62,3.36, height 3
jump [mm]
  rect 1.5x1.5 hole 0.965: 1(0,0)
  round 1.5 hole 0.965: 2(0,-2.54)
  silkscreen extent -1.2,-3.81 1.2,1.27, body extent -1.26,-3.84 1.19,1.24, height 8
LED_KINGBRIGHT_KPH-1608CGCK [mm] "SMT Green LED, Case 0603, Body L 1.6 x W 0.8mm H 0.65mm"
  rect 0.8x0.8 smd: 1(-0.825,0) 2(0.825,0)
  silkscreen extent -1.82,-0.4 0.08,0.4, body extent -0.8,-0.4 0.8,0.4, height 0.65
LED_KINGBRIGHT_KPH-1608SURCK [mm] "SMT Hyper Red LED, Case 0603, Body L 1.6 x W 0.8mm H 0.65mm"
  rect 0.8x0.8 smd: 1(-0.825,0) 2(0.825,0)
  silkscreen extent -1.83,-0.4 0.08,0.4, body extent -0.8,-0.4 0.8,0.4, height 0.65
LED_OSRAM_LGL29K [mm] "Green Chip LED, 2-Leads, Body 1.7x0.8mm, IPC Medium Density"
  rect 0.8x0.8 smd: 1(-0.8,0) 2(0.8,0)
  silkscreen extent -1.92,-0.4 0.1,0.4, body extent -0.85,-0.4 0.85,0.4, height 0.67
MOLEX_22-05-7038 [mm] "2.54mm (.100\") Pitch KK® Wire-To-Board Header, Right Angle, With Friction Lock, 3 Circuits"
  rect 1.9x1.9 hole 1.2: 1(-2.54,0)
  round 1.9 hole 1.2: 2(0,-0.005) 3(2.54,0)
  silkscreen extent -3.81,1.3 3.81,14.42, body extent -3.81,-0.32 3.81,14.42, height 5.84
PB_TYCO_FSMSM [mm] "Body 3.5x6.0mm, Pushbutton Switch,  TYCO FSMSM Serie"
  rect 2.1x1.6 smd: 1(-4.65,0) 2(4.65,0)
  silkscreen extent -3,-1.75 3,1.75, body extent -5,-1.75 5,1.75, height 4.3
PHOENIX_1755752 [mm] "PCB Header, 12A 250 V, Pitch: 2.54mm, 4 Positions, MSTBVA Serie"
  round 2.1 hole 1.4: 1(-7.62,0) 2(-2.54,0) 3(2.54,0) 4(7.62,0)
  silkscreen extent -11.16,-3.84 11.16,4.77, body extent -11.16,-3.83 11.16,4.77, height 12
PLHTD10S-TR-CV [mm] "SMT 1.27 mm dual goldpin"
  rect 0.76x2.4 smd: 1(-5.715,-1.95) 2(-5.715,1.95) 3(-4.445,-1.95) 4(-4.445,1.95) 5(-3.175,-1.95) 6(-3.175,1.95) 7(-1.905,-1.95) 8(-1.905,1.95) 9(-0.635,-1.95) 10(-0.635,1.95)
  silkscreen extent -6.7,-2.58 0.3,2.5, body extent -6.5,-2.15 0.1,2.15, height 4.5
QFN50P400X400X100-25N-S220 [mm] "QFN, 0.50mm Pitch, Square; 24 Pin, 4.00mm L X 4.00mm W X 1.00mm H body (w/thermal tab 2.2 X 2.2mm), IPC Medium Density"
  oval 0.9x0.3 smd: 1(-1.95,1.25) 2(-1.95,0.75) 3(-1.95,0.25) 4(-1.95,-0.25) 5(-1.95,-0.75) 6(-1.95,-1.25) 13(1.95,-1.25) 14(1.95,-0.75) 15(1.95,-0.25) 16(1.95,0.25) 17(1.95,0.75) 18(1.95,1.25)
  oval 0.3x0.9 smd: 7(-1.25,-1.95) 8(-0.75,-1.95) 9(-0.25,-1.95) 10(0.25,-1.95) 11(0.75,-1.95) 12(1.25,-1.95) 19(1.25,1.95) 20(0.75,1.95) 21(0.25,1.95) 22(-0.25,1.95) 23(-0.75,1.95) 24(-1.25,1.95)
  rect 2.2x2.2 smd: 25(0,0)
  silkscreen extent -3.12,-2 2,2, body extent -2.07,-2.07 2.08,2.08, height 1
QFN50P400X500X80_HS-29N [mm] "QFN, 28-Leads, Body 4,00x5,00mm, Pitch 0,50mm, Thermal Pad 2,75x3,75mm, IPC Medium Density"
  oval 0.75x0.25 smd: 1(-1.9,1.75) 2(-1.9,1.25) 3(-1.9,0.75) 4(-1.9,0.25) 5(-1.9,-0.25) 6(-1.9,-0.75) 7(-1.9,-1.25) 8(-1.9,-1.75) 15(1.9,-1.75) 16(1.9,-1.25) 17(1.9,-0.75) 18(1.9,-0.25) 19(1.9,0.25) 20(1.9,0.75) 21(1.9,1.25) 22(1.9,1.75)
  oval 0.25x0.75 smd: 9(-1.25,-2.4) 10(-0.75,-2.4) 11(-0.25,-2.4) 12(0.25,-2.4) 13(0.75,-2.4) 14(1.25,-2.4) 23(1.25,2.4) 24(0.75,2.4) 25(0.25,2.4) 26(-0.25,2.4) 27(-0.75,2.4) 28(-1.25,2.4)
  rect 2.7x3.7 smd: 29(0,0)
  silkscreen extent -2.97,-2.7 2.2,2.7, body extent -2.05,-2.55 2.05,2.55, height 0.8